# Altium PCB PCB2.PcbDoc
Units mil, origin at the board's own origin, x right, y up, seen from the top; angles counter-clockwise.
Board outline 3635 x 2095 mil, 2 copper layers (Top Layer, Bottom Layer); 135 components, 122 nets, 519 pads, 158 vias.
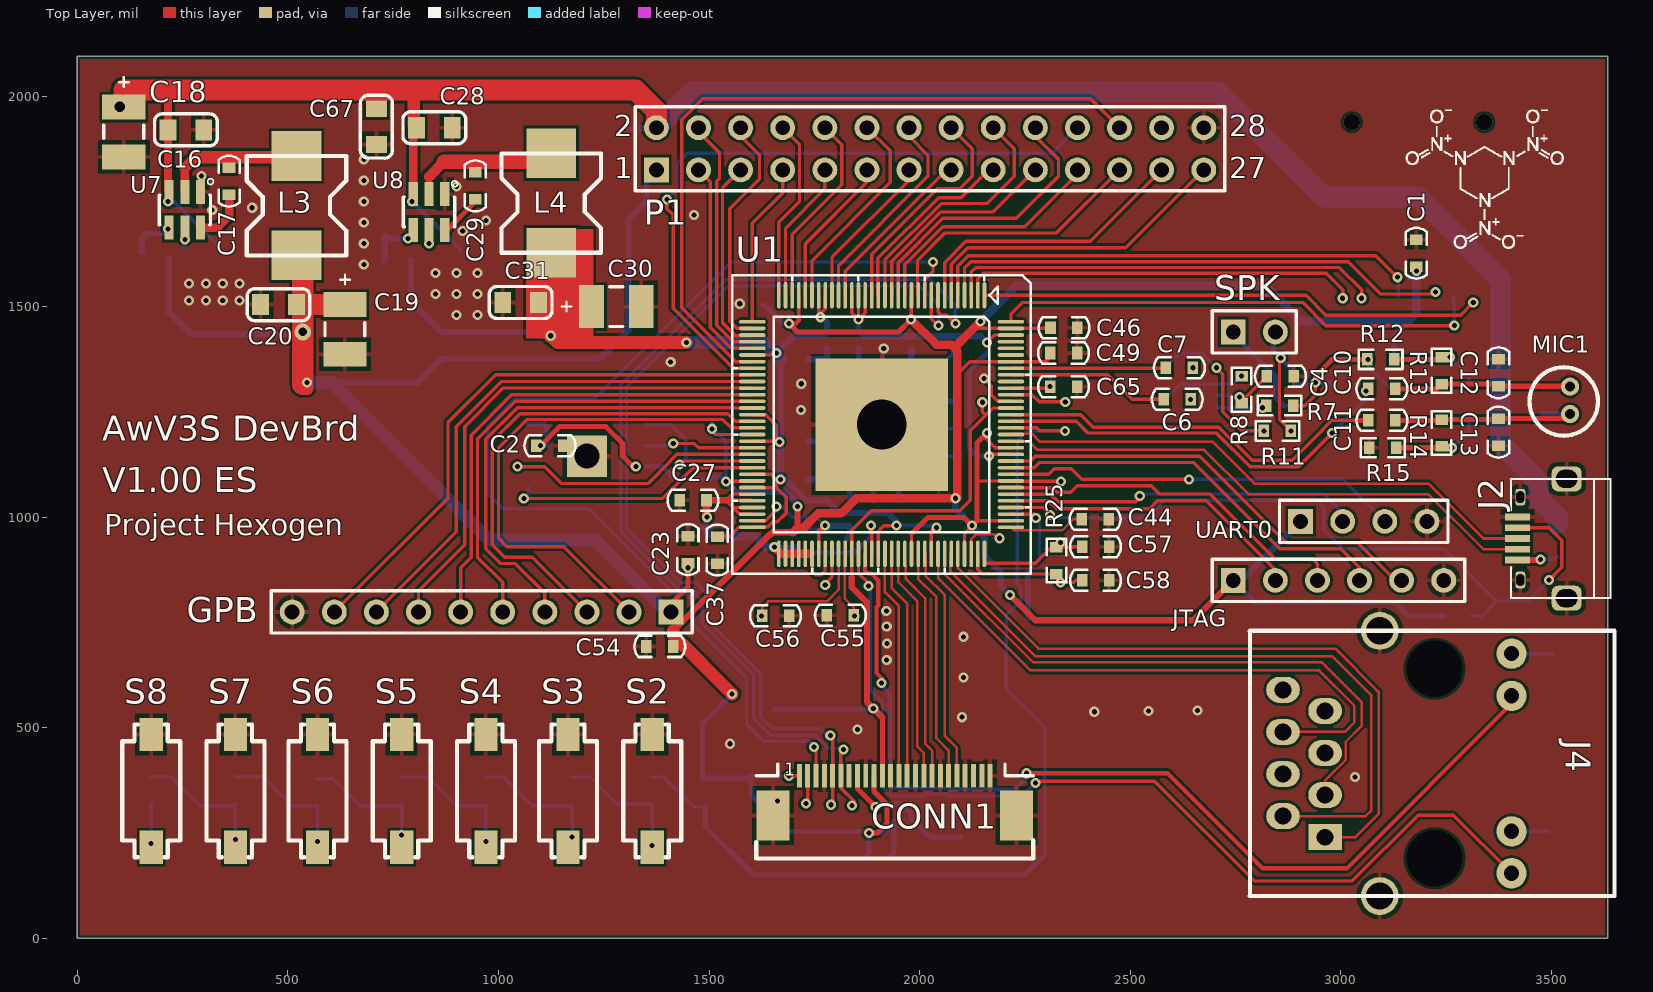
[diagram p0: Top Layer view]
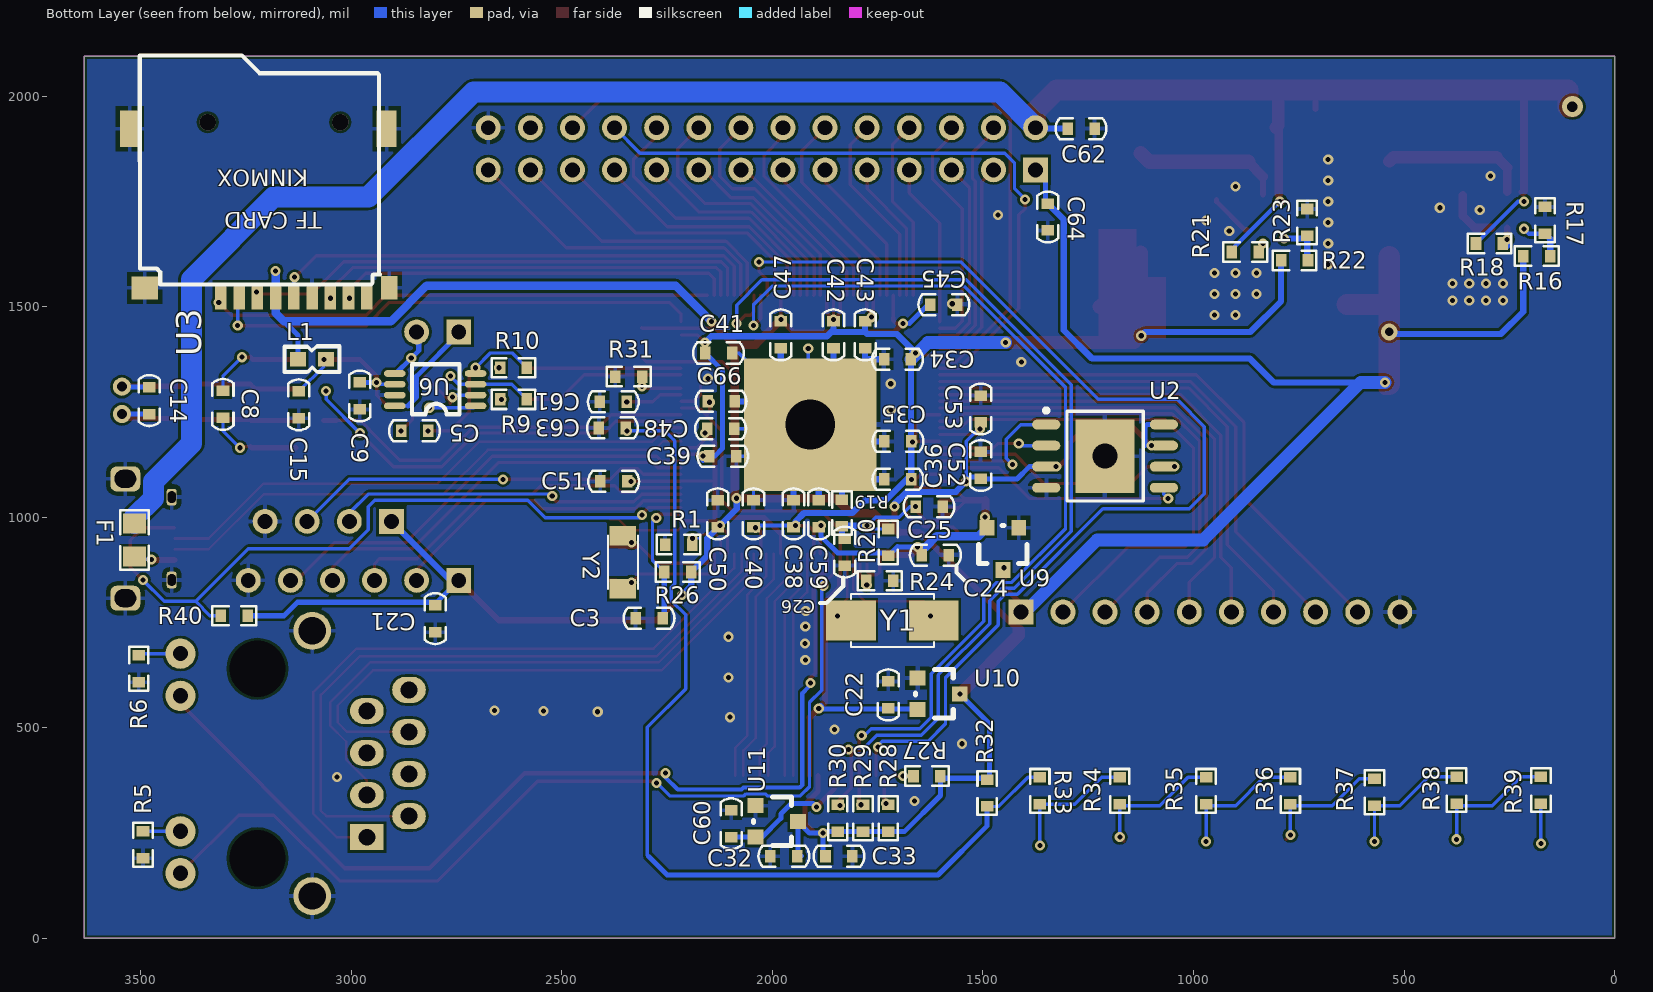
[diagram p1: Bottom Layer view, seen from below]
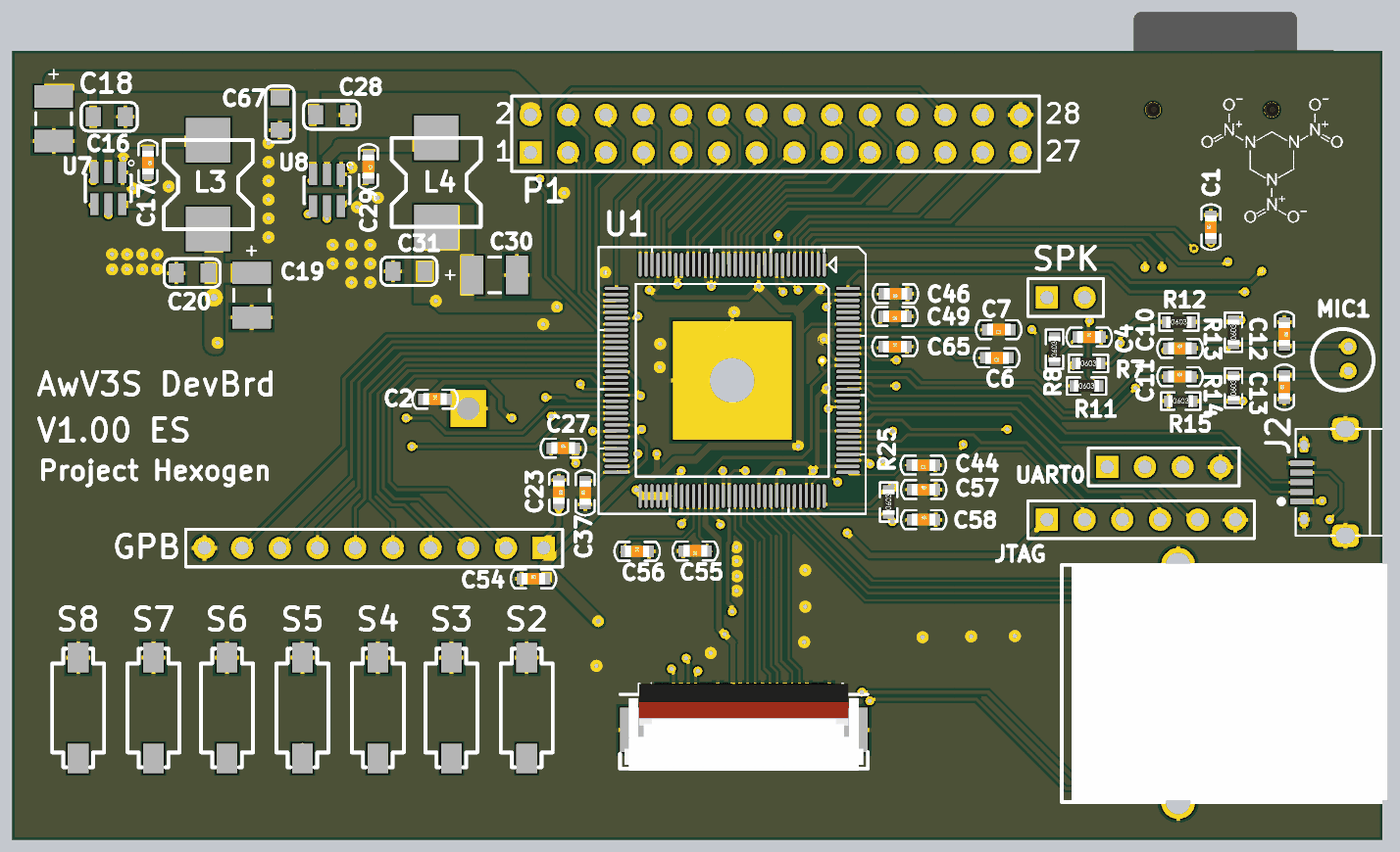
[diagram p2: 3D render of the assembled board from above, using the file's embedded part models]
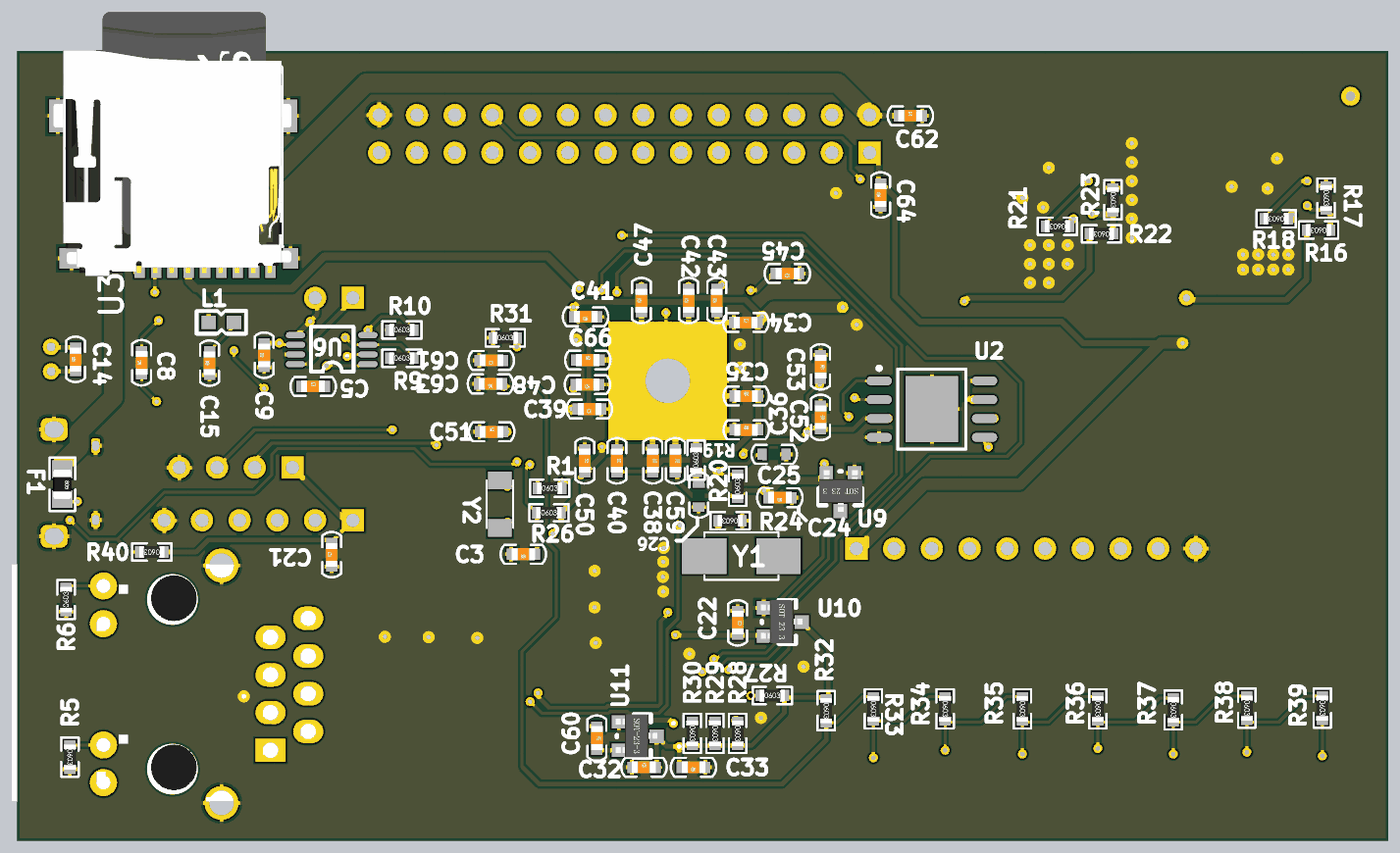
[diagram p3: 3D render of the assembled board from below, using the file's embedded part models]

## Layer stack, top to bottom
Top Solder: solder mask 0.4, Solder Resist, Dk 3.5
Top Layer: signal copper 1.4
Dielectric 1: dielectric 12.6, FR-4, Dk 4.8
Bottom Layer: signal copper 1.4
Bottom Solder: solder mask 0.4, Solder Resist, Dk 3.5

## Board outline
0,0 0,2095 3635,2095 3635,0

## Design rules (kind name [scope] priority, off if disabled: settings)
Clearance [All] p1: gap=6 ignorepadtopadclearanceinfootprint=FALSE
DiffPairsRouting [All] p1: maxlimit=18 minlimit=10 mostfreqgap=12 toplayer_minwidth=6 toplayer_maxwidth=15 toplayer_prefwidth=6 bottomlayer_minwidth=6 bottomlayer_maxwidth=15 bottomlayer_prefwidth=6 maxuncoupledlength=500
PolygonConnect [All] p1: thpad.connectstyle=Relief thpad.reliefconductorwidth=10 thpad.reliefentries=4 thpad.polygonreliefangle="90 Angle" thpad.airgapwidth=10 smdpad.connectstyle=Relief smdpad.reliefconductorwidth=10 smdpad.reliefentries=4 smdpad.polygonreliefangle="90 Angle" smdpad.airgapwidth=10 via.connectstyle=Direct via.reliefconductorwidth=10 via.reliefentries=4 via.polygonreliefangle="90 Angle" via.airgapwidth=10
RoutingVias [All] p1: holewidth=12 width=24 viastyle="Through Hole" minholewidth=12 minwidth=24 maxholewidth=28 maxwidth=50
SolderMaskExpansion [All] p1: expansion=4
Width [All] p1: maxlimit=100 minlimit=6 preferedwidth=6
29 further rules are at their usual default settings.

## Classes and differential pairs
component class Sheet2: C1 C2 C3 C32 C33 C60 C61 C62 C64 C65 CONN1 F1 J2 J4 P1 R1 R5 R6 R26 R27 R28 R29 R30 R31 R40 U2 U3 U11 UART0
component class Pwr: C4 C5 C6 C7 C8 C9 C10 C11 C12 C13 C14 C15 C16 C17 C18 C19 C20 C21 C22 C23 C24 C25 C26 C27 C28 C29 C30 C31 C34 C35 C36 C37 C38 C39 C40 C41 C42 C43 C44 C45 C46 C47 C48 C49 C50 C51 C52 C53 C54 C55 C56 C57 C58 C59 C66 C67 L1 L3 L4 MIC1 R7 R8 R9 R10 R11 R12 R13 R14 R15 R16 R17 R18 R19 R20 R21 R22 R23 R24 R25 SPK U1 U6 U7 U8 U9 U10 Y1 Y2
component class GPIO: C63 GPB JTAG R32 R33 R34 R35 R36 R37 R38 R39 S2 S3 S4 S5 S6 S7 S8
differential pair USB_D: +USB_D_P -USB_D_N
differential pair ETH_TX: +ETH_TX_P -ETH_TX_N
differential pair ETH_RX: +ETH_RX_P -ETH_RX_N
differential pair CSI_D1: +CSI_D1_P -CSI_D1_N
differential pair CSI_D0: +CSI_D0_P -CSI_D0_N
differential pair CSI_CK: +CSI_CK_P -CSI_CK_N

## Components (designator, comment, footprint, x,y, rotation, side; value= is the part's Value field where it differs from the comment)
C1 "Cap" 0603C 3180,1595 r90 top value=100nF
C2 "" 0603C 1090,1170 r0 top value=100nF
C3 "" 0603C 2261,760 r0 bottom value=10uF
C4 "Cap" 0603C 2825,1335 r0 top value=1uF
C5 "Cap" 0603C 2882,1205 r180 bottom value=1nF
C6 "Cap" 0603C 2644,1280 r180 top value=33nF
C7 "Cap" 0603C 2649,1355 r180 top value=33nF
C8 "Cap" 0603C 3305,1236 r90 bottom value=10uF
C9 "Cap" 0603C 2980,1256 r90 bottom value=1uF
C10 "Cap" 0603C 3066,1305 r0 top value=100nF
C11 "Cap" 0603C 3066,1230 r0 top value=100nF
C12 "Cap" 0603C 3375,1375 r270 top value=33pF
C13 "Cap" 0603C 3375,1170 r90 top value=33pF
C14 "Cap" 0603C 3480,1245 r90 bottom value=100pF
C15 "Cap" 0603C 3125,1235 r90 bottom value=10uF
C16 "Cap" 0805-0C 300,1920 r180 top value=10uF
C17 "Cap" 0603C 360,1830 r270 top value=100nF
C18 "Cap Pol1" TanCap-1210 110,1915 r270 top value=100pF
C19 "Cap Pol1" TanCap-1210 635,1445.94 r270 top value=330uF
C20 "Cap" 0805-0C 435,1505 r0 top value=10uF
C21 "Cap" 0603C 2801,727 r90 bottom value=100nF
C22 "Cap" 0603C 1725,610 r270 bottom value=100nF
C23 "Cap" 0603C 1450,955 r270 top value=100nF
C24 "Cap" 0603C 1581,910 r0 bottom value=10uF
C25 "Cap" 0603C 1660,1025 r180 bottom value=100nF
C26 "Cap" 0603C 1828,949 r270 bottom value=100nF
C27 "Cap" 0603C 1430,1040 r0 top value=100nF
C28 "Cap" 0805-0C 890,1925 r180 top value=10uF
C29 "Cap" 0603C 945,1819 r270 top value=100nF
C30 "Cap Pol1" TanCap-1210 1280,1500 r0 top value=330uF
C31 "Cap" 0805-0C 1010,1510 r0 top value=10uF
C32 "Cap" 0603C 2005,195 r180 bottom value=100nF
C33 "Cap" 0603C 1810,195 r0 bottom value=100nF
C34 "Cap" 0603C 1735,1375 r180 bottom value=10uF
C35 "Cap" 0603C 1734,1180 r180 bottom value=10uF
C36 "Cap" 0603C 1734,1090 r180 bottom value=100nF
C37 "Cap" 0603C 1520,890 r90 top value=100nF
C38 "Cap" 0603C 1950,1040 r270 bottom value=100nF
C39 "Cap" 0603C 2086,1145 r0 bottom value=100nF
C40 "Cap" 0603C 2045,1040 r270 bottom value=100nF
C41 "Cap" 0603C 2096,1390 r0 bottom value=100nF
C42 "Cap" 0603C 1855,1401 r90 bottom value=100nF
C43 "Cap" 0603C 1780,1401 r90 bottom value=100nF
C44 "Cap" 0603C 2449,995 r180 top value=10uF
C45 "Cap" 0603C 1561,1505 r0 bottom value=10uF
C46 "Cap" 0603C 2375,1450 r180 top value=10uF
C47 "Cap" 0603C 1980,1401 r90 bottom value=100nF
C48 "Cap" 0603C 2091,1210 r0 bottom value=100nF
C49 "Cap" 0603C 2374,1390 r180 top value=100nF
C50 "Cap" 0603C 2130,1040 r270 bottom value=100nF
C51 "Cap" 0603C 2409,1085 r180 bottom value=100nF
C52 "Cap" 0603C 1505,1155 r270 bottom value=100nF
C53 "Cap" 0603C 1505,1289 r270 bottom value=100nF
C54 "Cap" 0603C 1351,693 r0 top value=100nF
C55 "Cap" 0603C 1844,767 r180 top value=18pF
C56 "Cap" 0603C 1626,766 r0 top value=18pF
C57 "Cap" 0603C 2386,930 r0 top value=18pF
C58 "Cap" 0603C 2386,850 r0 top value=18pF
C59 "Cap" 0603C 1890,1040 r270 bottom value=10uF
C60 "Cap" 0603C 2098,304 r270 bottom value=10uF
C61 "" 0603C 2346,1274 r0 bottom value=10uF
C62 "Cap" 0603C 1299,1923 r180 bottom value=10uF
C63 "" 0603C 2348,1212 r0 bottom value=1nF
C64 "Cap" 0603C 1346,1681 r90 bottom value=10uF
C65 "" 0603C 2310,1310 r0 top value=10uF
C66 "" 0603C 2154,1275 r180 bottom value=10uF
C67 "Cap" 0805-0C 710,1885 r90 top value=10uF
CONN1 "FPC-24P-B" FPC-24P-0.5 1616.3,295.53 r0 top locked
F1 "PSMD100" 0805R 3515,985 r270 bottom
GPB "GPIOB2-9" HDR1X10 1410,775 r180 top locked (schematic designator P3)
J2 "USB_MICRO" MicroUSB 3515.5,937.06 r270 top locked
J4 "HR911105A" HR911105A 2963.19,240 r0 top locked
JTAG "JTAG" HDR1X6 2745,850 r0 top (schematic designator P4)
L1 "600R/100M" L0603 3088.13,1375 r0 bottom
L3 "Inductor" PIND0650 520,1740 r270 top value=10uH
L4 "Inductor" PIND0650 1125,1746 r270 top value=10uH
MIC1 "Micphone" mic_4015 3530,1275 r0 top
P1 "Header 14X2" HDR2X14 1375,1825 r0 top locked
R1 "Res3" 0603R 2223,935 r180 bottom value=6K
R5 "Res3" 0603R 3495,222 r270 bottom value=1K
R6 "Res3" 0603R 3505,640 r90 bottom value=1K
R7 "20K" 0603R 2855,1265 r0 top
R8 "20K" 0603R 2765,1303 r90 top
R9 "20K" 0603R 2615,1280 r180 bottom
R10 "20K" 0603R 2615,1355 r180 bottom
R11 "33K" 0603R 2850,1205 r0 top
R12 "1K" 0603R 3095,1375 r0 top
R13 "1K5" 0603R 3240,1348 r90 top
R14 "1K5" 0603R 3240,1200 r90 top
R15 "1K" 0603R 3100,1165 r0 top
R16 "Res3" 0603R 185,1620 r0 bottom value=10k
R17 "Res3" 0603R 165,1705 r270 bottom value=3.2k
R18 "Res3" 0603R 297,1650 r0 bottom value=10K
R19 "Res3" 0603R 1835,1010 r90 bottom value=1K
R20 "Res3" 0603R 1725,940 r90 bottom value=1K
R21 "Res3" 0603R 877,1630 r0 bottom value=10K
R22 "Res3" 0603R 760,1610 r0 bottom value=3k
R23 "Res3" 0603R 730,1700 r270 bottom value=5.4k
R24 "Res3" 0603R 1745,849 r0 bottom value=240
R25 "Res3" 0603R 2325,897 r90 top value=1M
R26 "Res3" 0603R 2225,870 r180 bottom value=100k
R27 "Res3" 0603R 1633,385 r180 bottom value=10k
R28 "Res3" 0603R 1725,285 r270 bottom value=10k
R29 "Res3" 0603R 1785,285 r270 bottom value=4K7
R30 "Res3" 0603R 1845,285 r270 bottom value=4K7
R31 "Res3" 0603R 2341,1334 r180 bottom value=200k
R32 "100K" 0603R 1490,345 r270 bottom
R33 "6K8" 0603R 1365,350 r270 bottom
R34 "8K2" 0603R 1175,350 r270 bottom
R35 "10K" 0603R 970,350 r270 bottom
R36 "11K" 0603R 770,350 r270 bottom
R37 "NC/13K" 0603R 570,347 r270 bottom
R38 "NC/16K" 0603R 375,352 r270 bottom
R39 "NC/22K" 0603R 175,352 r270 bottom
R40 "Res3" 0603R 3278,766 r0 bottom value=47K
S2 "SW-PB" Switch_SMT-022S-H2.5 1365,350 r90 top
S3 "SW-PB" Switch_SMT-022S-H2.5 1165,350 r90 top
S4 "SW-PB" Switch_SMT-022S-H2.5 970,350 r90 top
S5 "SW-PB" Switch_SMT-022S-H2.5 770,350 r90 top
S6 "SW-PB" Switch_SMT-022S-H2.5 570,350 r90 top
S7 "SW-PB" Switch_SMT-022S-H2.5 375,350 r90 top
S8 "SW-PB" Switch_SMT-022S-H2.5 175,350 r90 top
SPK "SPK" HDR1X2 2745,1440 r0 top (schematic designator J3)
U1 "AwV3S" ELQFP128E0MM4F7MM8 1910,1220 r270 top locked
U2 "GD5F1GQ4UAYIG" TSOP8+WSON8-6X5 1210,1145 r180 bottom locked
U3 "SD_Card" TF_self-eject 3309.92,1525 r0 bottom locked
U6 "LM4890" MSOP8 2705,1264.33 r0 bottom locked
U7 "MP1470" SOT23-6 255,1730 r0 top
U8 "MP1470" SOT23-6 835,1725 r0 top
U9 "PT5110-18" SOT-23 1415,975 r0 bottom locked
U10 "PT5110-30" SOT-23 1655.59,617.87 r270 bottom
U11 "PT5110-15" SOT-23 2040,315 r270 bottom
UART0 "Header 4" HDR1X4 2905,990 r0 top
Y1 "24M" XTAL-5032 1715,755 r0 bottom locked
Y2 "32.768K" XTAL-3215 2355,892.99 r90 bottom

## Footprints (in the part's own frame and the unit in brackets; to place one, negate y for a bottom-side part, rotate by r counter-clockwise, add the part's x,y. Pads: shape width x height; smd on the part's side, far side on the other; paste and mask are expansions set on the pad)
0603C [mil]
  rect 25x30 smd: 1(0,0) 2(64,0)
  silkscreen extent -28,-25 92,25, body extent 0,-16 63,16, height 12
0603R [mil]
  rect 25x30 smd: 1(-32,0) 2(32,0)
  silkscreen extent -52,-23 52,23, body extent -33,-16 33,16, height 22
0805-0C [mil]
  rect 40x50 smd: 1(0,0) 2(85,0)
  silkscreen extent -32,-38 117,38
0805R [mm]
  rect 1.2x1.4 smd: 1(0,0) 2(2,0)
  silkscreen extent -0.8,-0.86 2.8,0.86, body extent 0,-0.62 2,0.63, height 0.77
ELQFP128E0MM4F7MM8 [mm]
  oval 1.6x0.22 smd: 1(-7.8,6.2) 2(-7.8,5.8) 3(-7.8,5.4) 4(-7.8,5) 5(-7.8,4.6) 6(-7.8,4.2) 7(-7.8,3.8) 8(-7.8,3.4) 9(-7.8,3) 10(-7.8,2.6) 11(-7.8,2.2) 12(-7.8,1.8) 13(-7.8,1.4) 14(-7.8,1) 15(-7.8,0.6) 16(-7.8,0.2) 17(-7.8,-0.2) 18(-7.8,-0.6) 19(-7.8,-1) 20(-7.8,-1.4) 21(-7.8,-1.8) 22(-7.8,-2.2) 23(-7.8,-2.6) 24(-7.8,-3) 25(-7.8,-3.4) 26(-7.8,-3.8) 27(-7.8,-4.2) 28(-7.8,-4.6) 29(-7.8,-5) 30(-7.8,-5.4) 31(-7.8,-5.8) 32(-7.8,-6.2) 65(7.8,-6.2) 66(7.8,-5.8) 67(7.8,-5.4) 68(7.8,-5) 69(7.8,-4.6) 70(7.8,-4.2) 71(7.8,-3.8) 72(7.8,-3.4) 73(7.8,-3) 74(7.8,-2.6) 75(7.8,-2.2) 76(7.8,-1.8) 77(7.8,-1.4) 78(7.8,-1) 79(7.8,-0.6) 80(7.8,-0.2) 81(7.8,0.2) 82(7.8,0.6) 83(7.8,1) 84(7.8,1.4) 85(7.8,1.8) 86(7.8,2.2) 87(7.8,2.6) 88(7.8,3) 89(7.8,3.4) 90(7.8,3.8) 91(7.8,4.2) 92(7.8,4.6) 93(7.8,5) 94(7.8,5.4) 95(7.8,5.8) 96(7.8,6.2)
  oval 0.22x1.6 smd: 33(-6.2,-7.8) 34(-5.8,-7.8) 35(-5.4,-7.8) 36(-5,-7.8) 37(-4.6,-7.8) 38(-4.2,-7.8) 39(-3.8,-7.8) 40(-3.4,-7.8) 41(-3,-7.8) 42(-2.6,-7.8) 43(-2.2,-7.8) 44(-1.8,-7.8) 45(-1.4,-7.8) 46(-1,-7.8) 47(-0.6,-7.8) 48(-0.2,-7.8) 49(0.2,-7.8) 50(0.6,-7.8) 51(1,-7.8) 52(1.4,-7.8) 53(1.8,-7.8) 54(2.2,-7.8) 55(2.6,-7.8) 56(3,-7.8) 57(3.4,-7.8) 58(3.8,-7.8) 59(4.2,-7.8) 60(4.6,-7.8) 61(5,-7.8) 62(5.4,-7.8) 63(5.8,-7.8) 64(6.2,-7.8) 97(6.2,7.8) 98(5.8,7.8) 99(5.4,7.8) 100(5,7.8) 101(4.6,7.8) 102(4.2,7.8) 103(3.8,7.8) 104(3.4,7.8) 105(3,7.8) 106(2.6,7.8) 107(2.2,7.8) 108(1.8,7.8) 109(1.4,7.8) 110(1,7.8) 111(0.6,7.8) 112(0.2,7.8) 113(-0.2,7.8) 114(-0.6,7.8) 115(-1,7.8) 116(-1.4,7.8) 117(-1.8,7.8) 118(-2.2,7.8) 119(-2.6,7.8) 120(-3,7.8) 121(-3.4,7.8) 122(-3.8,7.8) 123(-4.2,7.8) 124(-4.6,7.8) 125(-5,7.8) 126(-5.4,7.8) 127(-5.8,7.8) 128(-6.2,7.8)
  rect 8x8 hole 3: TPAD(0,0)
  silkscreen extent -9,-9 9,9
FPC-24P-0.5 [mm]
  rect 0.3x1.4 smd: 1(2.5,2.3) 2(3,2.3) 3(3.5,2.3) 4(4,2.3) 5(4.5,2.3) 6(5,2.3) 7(5.5,2.3) 8(6,2.3) 9(6.5,2.3) 10(7,2.3) 11(7.5,2.3) 12(8,2.3) 13(8.5,2.3) 14(9,2.3) 15(9.5,2.3) 16(10,2.3) 17(10.5,2.3) 18(11,2.3) 19(11.5,2.3) 20(12,2.3) 21(12.5,2.3) 22(13,2.3) 23(13.5,2.3) 24(14,2.3)
  rect 2x3 smd: 25(15.6,-0.1) 26(0.9,-0.1)
  silkscreen extent -0.1,-2.7 16.6,3, body extent 0.2,-2.86 16.29,3.04, height 2
HDR1X2 [mm] "Connector; Header; 2 Position"
  rect 1.5x1.5 hole 0.9: 1(0,0)
  round 1.5 hole 0.9: 2(2.54,0)
  silkscreen extent -1.27,-1.27 3.81,1.27
HDR1X4 [mm] "Connector; Header; 4 Position"
  rect 1.5x1.5 hole 0.9: 1(0,0)
  round 1.5 hole 0.9: 2(2.54,0) 3(5.08,0) 4(7.62,0)
  silkscreen extent -1.27,-1.27 8.89,1.27
HDR1X6 [mm] "Connector; Header; 6 Position"
  rect 1.5x1.5 hole 0.9: 1(0,0)
  round 1.5 hole 0.9: 2(2.54,0) 3(5.08,0) 4(7.62,0) 5(10.16,0) 6(12.7,0)
  silkscreen extent -1.27,-1.27 13.97,1.27
HDR1X10 [mm] "Connector; Header; 10 Position"
  rect 1.5x1.5 hole 0.9: 1(0,0)
  round 1.5 hole 0.9: 2(2.54,0) 3(5.08,0) 4(7.62,0) 5(10.16,0) 6(12.7,0) 7(15.24,0) 8(17.78,0) 9(20.32,0) 10(22.86,0)
  silkscreen extent -1.27,-1.27 24.13,1.27
HDR2X14 [mm] "Connector; Header; 14x2 Position"
  rect 1.5x1.5 hole 0.9: 1(0,0)
  round 1.5 hole 0.9: 2(0,2.54) 3(2.54,0) 4(2.54,2.54) 5(5.08,0) 6(5.08,2.54) 7(7.62,0) 8(7.62,2.54) 9(10.16,0) 10(10.16,2.54) 11(12.7,0) 12(12.7,2.54) 13(15.24,0) 14(15.24,2.54) 15(17.78,0) 16(17.78,2.54) 17(20.32,0) 18(20.32,2.54) 19(22.86,0) 20(22.86,2.54) 21(25.4,0) 22(25.4,2.54) 23(27.94,0) 24(27.94,2.54) 25(30.48,0) 26(30.48,2.54) 27(33.02,0) 28(33.02,2.54)
  silkscreen extent -1.27,-1.27 34.29,3.81
HR911105A [mil]
  round 39.37 hole 133.86: 0(260,-50) 0(260,400)
  rect 80x62 hole 40: 1(0,0)
  oval 80x62 hole 40: 2(-100,50) 3(0,100) 4(-100,150) 5(0,200) 6(-100,250) 7(0,300) 8(-100,350)
  round 72 hole 36: 9(442.91,-85.63) 10(442.91,14) 11(442.91,335.87) 12(442.91,436)
  round 90 hole 65: S(129.92,-139.76) S(129.92,490.16)
  silkscreen extent -179,-140 687,490, body extent -153,-136 685,494, height 91
L0603 [mil]
  rect 38x35 smd: 1(-28,0) 2(38.87,0)
  silkscreen extent -60,-31 71,30
mic_4015 [mm]
  round 1.1 hole 0.6: 1(0.381,0.889) 2(0.381,-0.762)
  silkscreen extent -2.07,-2.07 2.07,2.07
MicroUSB [mm]
  round 0.635 on Top Overlay: 0(0.986,-3.776)
  rect 0.4x1.524 smd: 1(0.986,-2.426) 2(0.336,-2.426) 3(-0.314,-2.426) 4(-0.964,-2.426) 5(-1.614,-2.426)
  rrect50% 1.5x1.8 hole 1.1 slot 1.3 at 90 deg: 5(-3.911,0.543) 5(3.286,0.543)
  rrect50% 1x0.6 hole 0.5 slot 0.7 at 0 deg: 5(-2.812,-2.254) 5(2.188,-2.254)
  silkscreen extent -3.91,-2.81 3.29,3.19
MSOP8 [mm]
  oval 1.3x0.4 smd: 1(0,0) 2(0,-0.652) 3(0,-1.304) 4(0,-1.956) 5(4.877,-1.956) 6(4.877,-1.304) 7(4.877,-0.652) 8(4.877,0)
  silkscreen extent 0.97,-2.51 3.84,0.51
PIND0650 [mm] "Power Inductor 6*6*5mm"
  rect 3x3 smd: 1(-3,0) 2(3,0)
  silkscreen extent -3,-3 3,3
SOT23-6 [mm]
  rect 0.55x1.45 smd: 1(0.95,1.075) 2(0,1.075) 3(-0.95,1.075) 4(-0.95,-1.075) 5(0,-1.075) 6(0.95,-1.075)
  silkscreen extent -1.55,-0.9 1.73,1.88
SOT-23 [mm]
  rect 0.9x0.95 smd: 1(0,0) 2(1.905,0) 3(0.962,2.555)
  silkscreen extent -0.51,-0.13 2.41,2.16, body extent -0.52,-0.2 2.38,2.6, height 1.2
Switch_SMT-022S-H2.5 [mm]
  rect 2x1.4 smd: 1(3.4,0) 2(-3.4,0)
  silkscreen extent -4,-1.75 4,1.75
TanCap-1210 [mm] "Chip Capacitor, Body 3.2x2.5mm, IPC High Density"
  rect 1.5x2.6 smd: 1(-1.5,0) 2(1.5,0)
  silkscreen extent -3.3,-1.2 0.4,1.2, body extent -1.68,-1.32 1.68,1.32, height 0.9
TF_self-eject [mm]
  rect 0.7x1.6 smd: 1(0,0) 2(-1.1,0) 3(-2.2,0) 4(-3.3,0) 5(-4.4,0) 6(-5.5,0) 7(-6.6,0) 8(-7.7,0) 9(-8.8,0)
  rect 1x1.4 smd: 10(-10.16,-0.508)
  rect 1.6x1.4 smd: 11(4.6,-0.5)
  rect 1.2x2.2 smd: 12(5.5,-10.1) 13(-10,-10.1)
  silkscreen extent -9.59,-14.52 4.9,-0.7, body extent -10.2,-17.1 5.8,0.72, height 1.85
TSOP8+WSON8-6X5 [mm] "TSOP, 8-Leads, Body 5.28x5.28mm, Pitch 1.27mm, Thermal Pad 4.45x3.55mm, IPC Medium Density"
  oval 1.7x0.6 smd: 1(-3.55,1.905) 2(-3.55,0.635) 3(-3.55,-0.635) 4(-3.55,-1.905) 5(3.55,-1.905) 6(3.55,-0.635) 7(3.55,0.635) 8(3.55,1.905)
  rect 2.4x2.5 hole 1.5: 4(0,0)
  rect 3.55x4.45 smd: 4(0,0)
  silkscreen extent -3.68,-2.7 2.3,2.88, body extent -2.7,-2.7 2.7,2.7, height 0.8
XTAL-3215 [mm]
  rect 1.2x1.6 smd: 1(-1.6,0) 2(1.6,0)
  silkscreen extent -1.6,-0.9 1.6,0.9
XTAL-5032 [mm]
  rect 3x2.4 smd: 1(-2.5,0) 2(2.5,0)
  silkscreen extent -2.5,-1.6 2.5,1.6
